# Altium PCB SEG_pressure gauge_don  V2.4.PcbDoc (part 2 of 4) (continued)
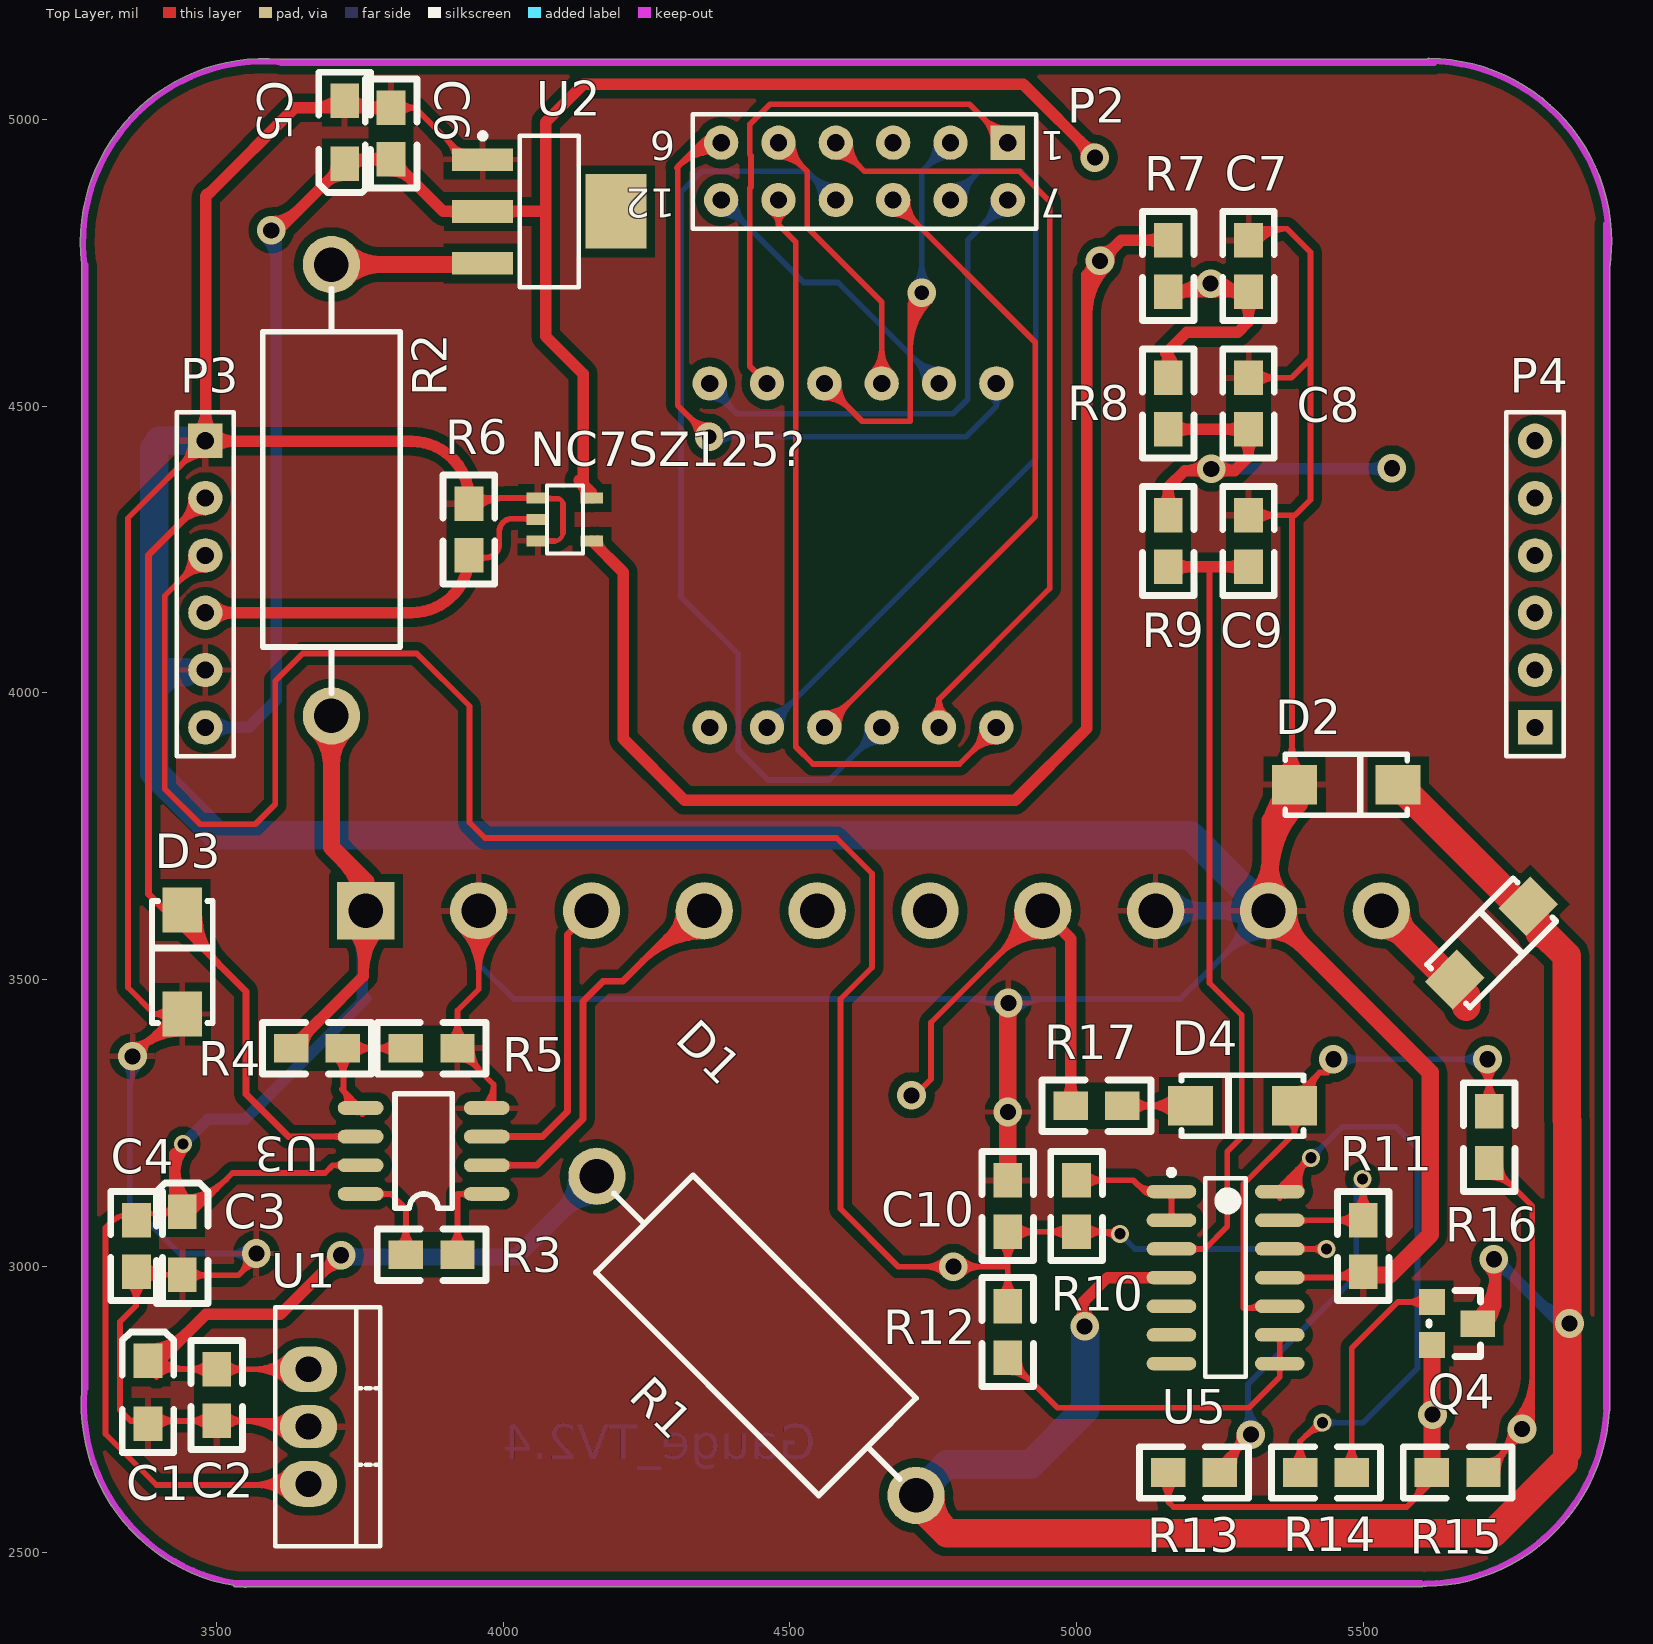
[diagram p0: Top Layer view]
## Nets (pads, with @x,y where several pads share a name; then routed paths per layer and width w, separated by ;. In a path a pad name is that pad's centre, name@x,y a point inside that pad or via, vN(x,y) a via of type N, cw(c..) or ccw(c..) an arc to the next point about the centre after c; other vN are vias at no path point) (continued)
  Top Layer w20: P3.1@3481,4439 cw(c3481,4440) P3.1@3480,4440 cw(c3481,4440) 3481,4441 ccw(c3483,4441) 3483,4439 3840,4439 cw(c3840,4339) 3940,4339 R6.2@3940,4330 ; 3481,4471 3481,4866 cw(c3486.5,4866) 3486.5,4871.5 ; 3490,4875 3636,5021 C6.2@3804,5021 ; P3.1@3494.14,4425.86 cw(c3525.87,4394.13) 3525.87,4439 ; 3530.7,4439 cw(c3530.7,4490.7) P3.1@3494.14,4454.14 ; 3669.89,5021 ccw(c3669.89,5081.11) C5.2@3712.39,5038.61 ; C5.2@3733.61,5038.61 ccw(c3776.11,5081.11) 3776.11,5021 ; C6.2@3793.39,5010.39 ccw(c3767.79,4984.79) 3767.79,5021 ccw(c3767.79,5057.21) C6.2@3793.39,5031.61 ; P3.1@3465.86,4454.14 ccw(c3429.3,4490.7) 3481,4490.7 ; P3.1@3465.86,4454.14 ccw(c3429.3,4490.7) 3481,4490.7 ; P3.1@3465.86,4454.14 ccw(c3429.3,4490.7) 3481,4490.7 ; P3.1@3465.86,4454.14 ccw(c3429.3,4490.7) 3481,4490.7 ; P3.1@3465.86,4454.14 ccw(c3429.3,4490.7) 3481,4490.7 ; P3.1@3465.86,4454.14 ccw(c3429.3,4490.7) 3481,4490.7 ; 3481,4485.87 ccw(c3525.87,4485.87) P3.1@3494.14,4454.14 ; 3481,4485.87 ccw(c3525.87,4485.87) P3.1@3494.14,4454.14 ; 3481,4485.87 ccw(c3525.87,4485.87) P3.1@3494.14,4454.14 ; 3481,4485.87 ccw(c3525.87,4485.87) P3.1@3494.14,4454.14 ; 3481,4485.87 ccw(c3525.87,4485.87) P3.1@3494.14,4454.14 ; 3481,4485.87 ccw(c3525.87,4485.87) P3.1@3494.14,4454.14 ; R6.2@3940,4330 cw(c3950,4330) 3950,4340 ccw(c3950,4330) R6.2@3940,4330
  Top Layer w30: C10.2@4880,3150 v1@4880,3460 ; 4880,3432.44 cw(c4907.56,3432.44) v1@4888.07,3451.93 ; P1.9@5334.8,3585 cw(c5334.8,3500.5) 5394.55,3560.25 cw(c5454.3,3620) P1.9@5369.8,3620 ; 5338,3683.53 cw(c5511.55,3683.53) D2.1@5388.83,3806.25 ; D2.1@5380,3820 5338,3778 5338,3623.2 P1.9@5334.8,3620 5617,3337.8 5617,3055 5546.5,2984.5 R11.2@5494.5,2984.5 ; R11.2@5507.07,2992.07 ccw(c5525.35,3010.35) 5525.35,2984.5 ; P1.9@5310.06,3644.75 ccw(c5242.59,3712.21) 5338,3712.21 ; P1.9@5310.06,3644.75 ccw(c5242.59,3712.21) 5338,3712.21 ; P1.9@5310.06,3644.75 ccw(c5242.59,3712.21) 5338,3712.21 ; P1.9@5310.06,3644.75 ccw(c5242.59,3712.21) 5338,3712.21 ; P1.9@5310.06,3644.75 ccw(c5242.59,3712.21) 5338,3712.21 ; P1.9@5310.06,3644.75 ccw(c5242.59,3712.21) 5338,3712.21 ; 5338,3696.78 ccw(c5411.59,3696.78) P1.9@5359.55,3644.75 ; 5338,3696.78 ccw(c5411.59,3696.78) P1.9@5359.55,3644.75 ; 5338,3696.78 ccw(c5411.59,3696.78) P1.9@5359.55,3644.75 ; 5338,3696.78 ccw(c5411.59,3696.78) P1.9@5359.55,3644.75 ; 5338,3696.78 ccw(c5411.59,3696.78) P1.9@5359.55,3644.75 ; 5338,3696.78 ccw(c5411.59,3696.78) P1.9@5359.55,3644.75 ; 5350.46,3790.46 ccw(c5324.89,3816.04) D2.1@5357.53,3831.62 ; 5350.46,3790.46 ccw(c5324.89,3816.04) D2.1@5357.53,3831.62 ; 5350.46,3790.46 ccw(c5324.89,3816.04) D2.1@5357.53,3831.62 ; 5350.46,3790.46 ccw(c5324.89,3816.04) D2.1@5357.53,3831.62 ; 5338,3755.96 cw(c5439.12,3755.96) 5367.62,3827.46 ccw(c5439.12,3755.96) 5338,3755.96 ; 5340.46,3780.46 ccw(c5303.71,3817.21) 5355.64,3819.24 cw(c5303.71,3817.21) 5340.46,3780.46 ; 5350.28,3790.28 cw(c5375.08,3765.48) 5375.08,3800.55 ccw(c5375.08,3765.48) 5350.28,3790.28
  Bottom Layer w8: P1.9@5334.8,3574 ccw(c5334.8,3462.95) 5256.28,3541.47 ccw(c5177.75,3620) P1.9@5288.8,3620 ; P1.9@5334.8,3582 ccw(c5334.8,3490.26) 5269.93,3555.13 ccw(c5205.06,3620) P1.9@5296.8,3620 ; P1.9@5334.8,3590 ccw(c5334.8,3517.57) 5283.59,3568.79 ccw(c5232.38,3620) P1.9@5304.8,3620 ; P1.9@5334.8,3598 ccw(c5334.8,3544.89) 5297.25,3582.44 ccw(c5259.69,3620) P1.9@5312.8,3620 ; v1@3338.15,3351.15 cw(c3314.37,3327.37) 3348,3327.37 ; v1@3338.15,3351.15 cw(c3314.37,3327.37) 3348,3327.37 ; v1@3338.15,3351.15 cw(c3314.37,3327.37) 3348,3327.37 ; 3348,3303.23 cw(c3415.77,3303.23) v1@3367.85,3351.15 ; 3348,3303.23 cw(c3415.77,3303.23) v1@3367.85,3351.15 ; 3348,3303.23 cw(c3415.77,3303.23) v1@3367.85,3351.15 ; 3348,3322.54 cw(c3396.46,3322.54) v1@3362.19,3356.81 ; 3348,3322.54 cw(c3396.46,3322.54) v1@3362.19,3356.81 ; 3348,3322.54 cw(c3396.46,3322.54) v1@3362.19,3356.81 ; 3518.3,3022 cw(c3518.3,2971.3) v1@3554.15,3007.15 ; 3518.3,3022 ccw(c3518.3,3072.7) v1@3554.15,3036.85 ; 3518.3,3022 cw(c3518.3,2971.3) v1@3554.15,3007.15 ; 3518.3,3022 ccw(c3518.3,3072.7) v1@3554.15,3036.85 ; 3518.3,3022 ccw(c3518.3,3072.7) v1@3554.15,3036.85 ; 3518.3,3022 cw(c3518.3,2971.3) v1@3554.15,3007.15 ; 3537.62,3022 cw(c3537.62,2990.62) v1@3559.81,3012.81 ; 3537.62,3022 ccw(c3537.62,3053.38) v1@3559.81,3031.19 ; 3537.62,3022 cw(c3537.62,2990.62) v1@3559.81,3012.81 ; 3537.62,3022 ccw(c3537.62,3053.38) v1@3559.81,3031.19 ; 3537.62,3022 ccw(c3537.62,3053.38) v1@3559.81,3031.19 ; 3537.62,3022 cw(c3537.62,2990.62) v1@3559.81,3012.81 ; 5256.28,3698.53 cw(c5177.75,3620) P1.9@5288.8,3620 ; 5256.28,3698.53 ccw(c5334.8,3777.05) P1.9@5334.8,3666 ; 5256.28,3698.53 cw(c5177.75,3620) P1.9@5288.8,3620 ; 5256.28,3698.53 ccw(c5334.8,3777.05) P1.9@5334.8,3666 ; 5256.28,3698.53 ccw(c5334.8,3777.05) P1.9@5334.8,3666 ; 5256.28,3698.53 ccw(c5334.8,3777.05) P1.9@5334.8,3666 ; 5256.28,3698.53 ccw(c5334.8,3777.05) P1.9@5334.8,3666 ; 5256.28,3698.53 cw(c5177.75,3620) P1.9@5288.8,3620 ; 5269.93,3684.87 cw(c5205.06,3620) P1.9@5296.8,3620 ; 5269.93,3684.87 ccw(c5334.8,3749.74) P1.9@5334.8,3658 ; 5269.93,3684.87 cw(c5205.06,3620) P1.9@5296.8,3620 ; 5269.93,3684.87 ccw(c5334.8,3749.74) P1.9@5334.8,3658 ; 5269.93,3684.87 ccw(c5334.8,3749.74) P1.9@5334.8,3658 ; 5269.93,3684.87 ccw(c5334.8,3749.74) P1.9@5334.8,3658 ; 5269.93,3684.87 ccw(c5334.8,3749.74) P1.9@5334.8,3658 ; 5269.93,3684.87 cw(c5205.06,3620) P1.9@5296.8,3620 ; 5283.59,3671.21 cw(c5232.38,3620) P1.9@5304.8,3620 ; 5283.59,3671.21 ccw(c5334.8,3722.43) P1.9@5334.8,3650 ; 5283.59,3671.21 cw(c5232.38,3620) P1.9@5304.8,3620 ; 5283.59,3671.21 ccw(c5334.8,3722.43) P1.9@5334.8,3650 ; 5283.59,3671.21 ccw(c5334.8,3722.43) P1.9@5334.8,3650 ; 5283.59,3671.21 ccw(c5334.8,3722.43) P1.9@5334.8,3650 ; 5283.59,3671.21 ccw(c5334.8,3722.43) P1.9@5334.8,3650 ; 5283.59,3671.21 cw(c5232.38,3620) P1.9@5304.8,3620 ; 5297.25,3657.56 cw(c5259.69,3620) P1.9@5312.8,3620 ; 5297.25,3657.56 ccw(c5334.8,3695.11) P1.9@5334.8,3642 ; 5297.25,3657.56 cw(c5259.69,3620) P1.9@5312.8,3620 ; 5297.25,3657.56 ccw(c5334.8,3695.11) P1.9@5334.8,3642 ; 5297.25,3657.56 cw(c5259.69,3620) P1.9@5312.8,3620 ; 5297.25,3657.56 ccw(c5334.8,3695.11) P1.9@5334.8,3642 ; 5297.25,3657.56 ccw(c5334.8,3695.11) P1.9@5334.8,3642 ; 5297.25,3657.56 cw(c5259.69,3620) P1.9@5312.8,3620 ; 5297.25,3657.56 ccw(c5334.8,3695.11) P1.9@5334.8,3642 ; 5297.25,3657.56 cw(c5259.69,3620) P1.9@5312.8,3620
  Bottom Layer w10: v1@3338.86,3351.86 cw(c3316.79,3329.79) 3348,3329.79 cw(c3389.21,3329.79) v1@3360.07,3358.93 ; 3348,3305.64 cw(c3413.36,3305.64) v1@3367.14,3351.86 ; v1@3354,3368 3348,3362 3348,3109 3435,3022 v1(3569,3022) ; v1@3554.86,3007.86 ccw(c3520.72,2973.72) 3520.72,3022 ccw(c3520.72,3070.28) v1@3554.86,3036.14 ; P1.2@3956.85,3620 3956.85,3527.15 ; 4815.82,3466 cw(c4815.82,3393.82) v1@4866.86,3444.86 ; 4839.96,3466 cw(c4839.96,3417.96) v1@4873.93,3451.93 ; 4849.62,3466 ccw(c4849.62,3490.38) v1@4866.86,3473.14 ; v1@4888.07,3451.93 cw(c4922.04,3417.96) 4922.04,3466 ; v1@4895.14,3444.86 cw(c4946.18,3393.82) 4946.18,3466 ; v1@4895.14,3473.14 ccw(c4912.38,3490.38) 4912.38,3466 ; 5237.8,3717 P1.9@5334.8,3620 5180.8,3466 4018,3466 3956.85,3527.15 ; P1.9@5334.8,3645 cw(c5334.8,3705.36) 5292.13,3662.68 cw(c5249.45,3620) P1.9@5309.8,3620 ; P1.9@5334.8,3655 cw(c5334.8,3739.5) 5275.06,3679.75 cw(c5215.31,3620) P1.9@5299.8,3620 ; P1.9@5334.8,3665 cw(c5334.8,3773.64) 5257.98,3696.82 cw(c5181.16,3620) P1.9@5289.8,3620 ; P1.2@3928.97,3584.68 cw(c3883.57,3527.16) 3956.85,3527.16 ; P1.2@3928.97,3584.68 cw(c3883.57,3527.16) 3956.85,3527.16 ; P1.2@3928.97,3584.68 cw(c3883.57,3527.16) 3956.85,3527.16 ; P1.2@3928.97,3584.68 cw(c3883.57,3527.16) 3956.85,3527.16 ; P1.2@3928.97,3584.68 cw(c3883.57,3527.16) 3956.85,3527.16 ; P1.2@3935.17,3592.53 cw(c3899.85,3547.79) 3956.85,3547.79 ; P1.2@3935.17,3592.53 cw(c3899.85,3547.79) 3956.85,3547.79 ; P1.2@3935.17,3592.53 cw(c3899.85,3547.79) 3956.85,3547.79 ; P1.2@3935.17,3592.53 cw(c3899.85,3547.79) 3956.85,3547.79 ; P1.2@3935.17,3592.53 cw(c3899.85,3547.79) 3956.85,3547.79 ; P1.2@3941.36,3600.38 cw(c3916.14,3568.42) 3956.85,3568.42 ; P1.2@3941.36,3600.38 cw(c3916.14,3568.42) 3956.85,3568.42 ; P1.2@3941.36,3600.38 cw(c3916.14,3568.42) 3956.85,3568.42 ; P1.2@3941.36,3600.38 cw(c3916.14,3568.42) 3956.85,3568.42 ; P1.2@3941.36,3600.38 cw(c3916.14,3568.42) 3956.85,3568.42 ; 3956.85,3527.16 cw(c4030.13,3527.16) P1.2@3984.73,3584.68 ; 3956.85,3527.16 cw(c4030.13,3527.16) P1.2@3984.73,3584.68 ; 3956.85,3527.16 cw(c4030.13,3527.16) P1.2@3984.73,3584.68 ; 3956.85,3527.16 cw(c4030.13,3527.16) P1.2@3984.73,3584.68 ; 3956.85,3527.16 cw(c4030.13,3527.16) P1.2@3984.73,3584.68 ; 3956.85,3547.79 cw(c4013.85,3547.79) P1.2@3978.53,3592.53 ; 3956.85,3547.79 cw(c4013.85,3547.79) P1.2@3978.53,3592.53 ; 3956.85,3547.79 cw(c4013.85,3547.79) P1.2@3978.53,3592.53 ; 3956.85,3547.79 cw(c4013.85,3547.79) P1.2@3978.53,3592.53 ; 3956.85,3547.79 cw(c4013.85,3547.79) P1.2@3978.53,3592.53 ; 3956.85,3568.42 cw(c3997.56,3568.42) P1.2@3972.34,3600.38 ; 3956.85,3568.42 cw(c3997.56,3568.42) P1.2@3972.34,3600.38 ; 3956.85,3568.42 cw(c3997.56,3568.42) P1.2@3972.34,3600.38 ; 3956.85,3568.42 cw(c3997.56,3568.42) P1.2@3972.34,3600.38 ; 3956.85,3568.42 cw(c3997.56,3568.42) P1.2@3972.34,3600.38 ; 5257.98,3543.18 cw(c5334.8,3466.36) P1.9@5334.8,3575 ; 5257.98,3543.18 ccw(c5181.16,3620) P1.9@5289.8,3620 ; 5257.98,3543.18 cw(c5334.8,3466.36) P1.9@5334.8,3575 ; 5257.98,3543.18 ccw(c5181.16,3620) P1.9@5289.8,3620 ; 5257.98,3543.18 cw(c5334.8,3466.36) P1.9@5334.8,3575 ; 5257.98,3543.18 ccw(c5181.16,3620) P1.9@5289.8,3620 ; 5257.98,3543.18 ccw(c5181.16,3620) P1.9@5289.8,3620 ; 5257.98,3543.18 cw(c5334.8,3466.36) P1.9@5334.8,3575 ; 5275.06,3560.25 cw(c5334.8,3500.5) P1.9@5334.8,3585 ; 5275.06,3560.25 ccw(c5215.31,3620) P1.9@5299.8,3620 ; 5275.06,3560.25 cw(c5334.8,3500.5) P1.9@5334.8,3585 ; 5275.06,3560.25 ccw(c5215.31,3620) P1.9@5299.8,3620 ; 5275.06,3560.25 cw(c5334.8,3500.5) P1.9@5334.8,3585 ; 5275.06,3560.25 ccw(c5215.31,3620) P1.9@5299.8,3620 ; 5275.06,3560.25 ccw(c5215.31,3620) P1.9@5299.8,3620 ; 5275.06,3560.25 cw(c5334.8,3500.5) P1.9@5334.8,3585 ; 5292.13,3577.32 cw(c5334.8,3534.64) P1.9@5334.8,3595 ; 5292.13,3577.32 ccw(c5249.45,3620) P1.9@5309.8,3620 ; 5292.13,3577.32 cw(c5334.8,3534.64) P1.9@5334.8,3595 ; 5292.13,3577.32 ccw(c5249.45,3620) P1.9@5309.8,3620 ; 5292.13,3577.32 cw(c5334.8,3534.64) P1.9@5334.8,3595 ; 5292.13,3577.32 ccw(c5249.45,3620) P1.9@5309.8,3620 ; 5292.13,3577.32 ccw(c5249.45,3620) P1.9@5309.8,3620 ; 5292.13,3577.32 cw(c5334.8,3534.64) P1.9@5334.8,3595
  Bottom Layer w30: P1.8@5137.95,3620 5330,3620 P1.9@5334.8,3620 5338,3620 P1.9@5345,3627 ; P1.8@5162.7,3595.25 cw(c5222.45,3535.5) 5222.45,3620 cw(c5222.45,3704.5) P1.8@5162.7,3644.75 ; P1.9@5310.06,3595.25 ccw(c5250.31,3535.5) 5250.31,3620 ccw(c5250.31,3704.5) P1.9@5310.06,3644.75
  Bottom Layer w50: 3391,4427 3391,4009 ; 3400,4440 P3.1@3480,4440 ; 3446,4036 3418,4036 3391,4009 ; P1.9@5330,3620 5198,3752 3500,3752 3391,3861 3391,4009 ; 5283.93,3666.07 ccw(c5334.8,3716.95) P1.9@5334.8,3645 ; 5283.93,3666.07 ccw(c5334.8,3716.95) P1.9@5334.8,3645 ; 5283.93,3666.07 ccw(c5334.8,3716.95) P1.9@5334.8,3645 ; 5283.93,3666.07 ccw(c5334.8,3716.95) P1.9@5334.8,3645 ; 5295.52,3654.48 cw(c5261.05,3620) P1.9@5309.8,3620 ; 5295.52,3654.48 cw(c5261.05,3620) P1.9@5309.8,3620 ; 5295.52,3654.48 cw(c5261.05,3620) P1.9@5309.8,3620 ; 5295.52,3654.48 cw(c5261.05,3620) P1.9@5309.8,3620
  other v1: 4880,3269 4881,3459
CONTROL1: P4.2
CONTROL2: P4.1
IN1: P1.3 U3.3 | length 640.3
  Top Layer w12: U3.3@3971,3226 4068,3226 4112,3270 4112,3578.3 P1.3@4153.7,3620 ; U3.3@4003.24,3221.76 cw(c4013.49,3211.51) 4013.49,3226 ; U3.3@4003.24,3221.76 cw(c4013.49,3211.51) 4013.49,3226 ; U3.3@4003.24,3221.76 cw(c4013.49,3211.51) 4013.49,3226 ; U3.3@4003.24,3221.76 cw(c4013.49,3211.51) 4013.49,3226 ; U3.3@4003.24,3221.76 cw(c4013.49,3211.51) 4013.49,3226 ; U3.3@4003.24,3230.24 ccw(c4013.49,3240.49) 4013.49,3226 ; U3.3@4003.24,3230.24 ccw(c4013.49,3240.49) 4013.49,3226 ; U3.3@4003.24,3230.24 ccw(c4013.49,3240.49) 4013.49,3226 ; U3.3@4003.24,3230.24 ccw(c4013.49,3240.49) 4013.49,3226 ; U3.3@4003.24,3230.24 ccw(c4013.49,3240.49) 4013.49,3226
IN2: P1.4 U3.2 | length 2756.5
  Top Layer w12: U3.2@3971,3176 4058,3176 4139,3257 4139,3462 4174,3497 4208,3497 4331,3620 P1.4@4350.55,3620 ; U3.2@4003.24,3171.76 cw(c4013.49,3161.51) 4013.49,3176 ; U3.2@4003.24,3171.76 cw(c4013.49,3161.51) 4013.49,3176 ; U3.2@4003.24,3171.76 cw(c4013.49,3161.51) 4013.49,3176 ; U3.2@4003.24,3171.76 cw(c4013.49,3161.51) 4013.49,3176 ; U3.2@4003.24,3171.76 cw(c4013.49,3161.51) 4013.49,3176 ; U3.2@4003.24,3180.24 ccw(c4013.49,3190.49) 4013.49,3176 ; U3.2@4003.24,3180.24 ccw(c4013.49,3190.49) 4013.49,3176 ; U3.2@4003.24,3180.24 ccw(c4013.49,3190.49) 4013.49,3176 ; U3.2@4003.24,3180.24 ccw(c4013.49,3190.49) 4013.49,3176 ; U3.2@4003.24,3180.24 ccw(c4013.49,3190.49) 4013.49,3176 ; 4242.06,3531.06 cw(c4350.55,3422.57) P1.4@4350.55,3576 ; 4242.06,3531.06 cw(c4350.55,3422.57) P1.4@4350.55,3576 ; 4242.06,3531.06 cw(c4350.55,3422.57) P1.4@4350.55,3576 ; 4242.06,3531.06 cw(c4350.55,3422.57) P1.4@4350.55,3576 ; 4242.06,3531.06 cw(c4350.55,3422.57) P1.4@4350.55,3576 ; 4262.55,3551.55 cw(c4350.55,3463.54) P1.4@4350.55,3588 ; 4262.55,3551.55 cw(c4350.55,3463.54) P1.4@4350.55,3588 ; 4262.55,3551.55 cw(c4350.55,3463.54) P1.4@4350.55,3588 ; 4262.55,3551.55 cw(c4350.55,3463.54) P1.4@4350.55,3588 ; 4262.55,3551.55 cw(c4350.55,3463.54) P1.4@4350.55,3588 ; 4283.03,3572.03 cw(c4350.55,3504.51) P1.4@4350.55,3600 ; 4283.03,3572.03 cw(c4350.55,3504.51) P1.4@4350.55,3600 ; 4283.03,3572.03 cw(c4350.55,3504.51) P1.4@4350.55,3600 ; 4283.03,3572.03 cw(c4350.55,3504.51) P1.4@4350.55,3600 ; 4283.03,3572.03 cw(c4350.55,3504.51) P1.4@4350.55,3600 ; 4289.26,3578.26 ccw(c4247.53,3620) P1.4@4306.55,3620 ; 4289.26,3578.26 ccw(c4247.53,3620) P1.4@4306.55,3620 ; 4289.26,3578.26 ccw(c4247.53,3620) P1.4@4306.55,3620 ; 4289.26,3578.26 ccw(c4247.53,3620) P1.4@4306.55,3620 ; 4289.26,3578.26 ccw(c4247.53,3620) P1.4@4306.55,3620 ; 4303.52,3592.52 cw(c4350.55,3545.48) P1.4@4350.55,3612 ; 4303.52,3592.52 cw(c4350.55,3545.48) P1.4@4350.55,3612 ; 4303.52,3592.52 cw(c4350.55,3545.48) P1.4@4350.55,3612 ; 4303.52,3592.52 cw(c4350.55,3545.48) P1.4@4350.55,3612 ; 4303.52,3592.52 cw(c4350.55,3545.48) P1.4@4350.55,3612